# KiCad board Sandy_Base.kicad_pcb
title: Sandy; date: 2023-01-06; rev: v.0; company: @jpskenn
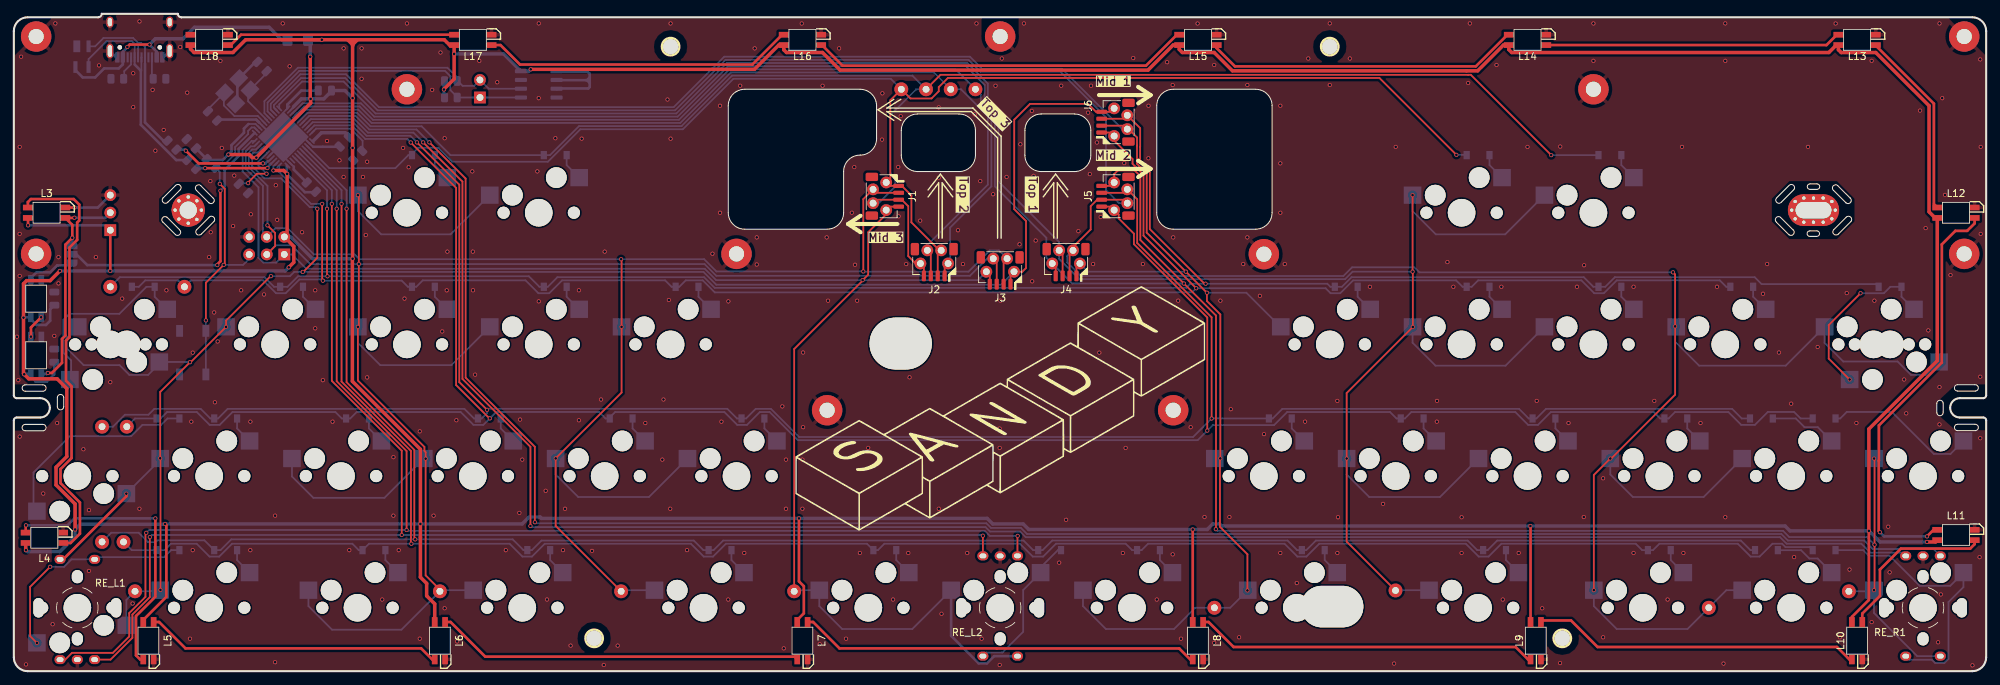
[diagram p0: board, top side]
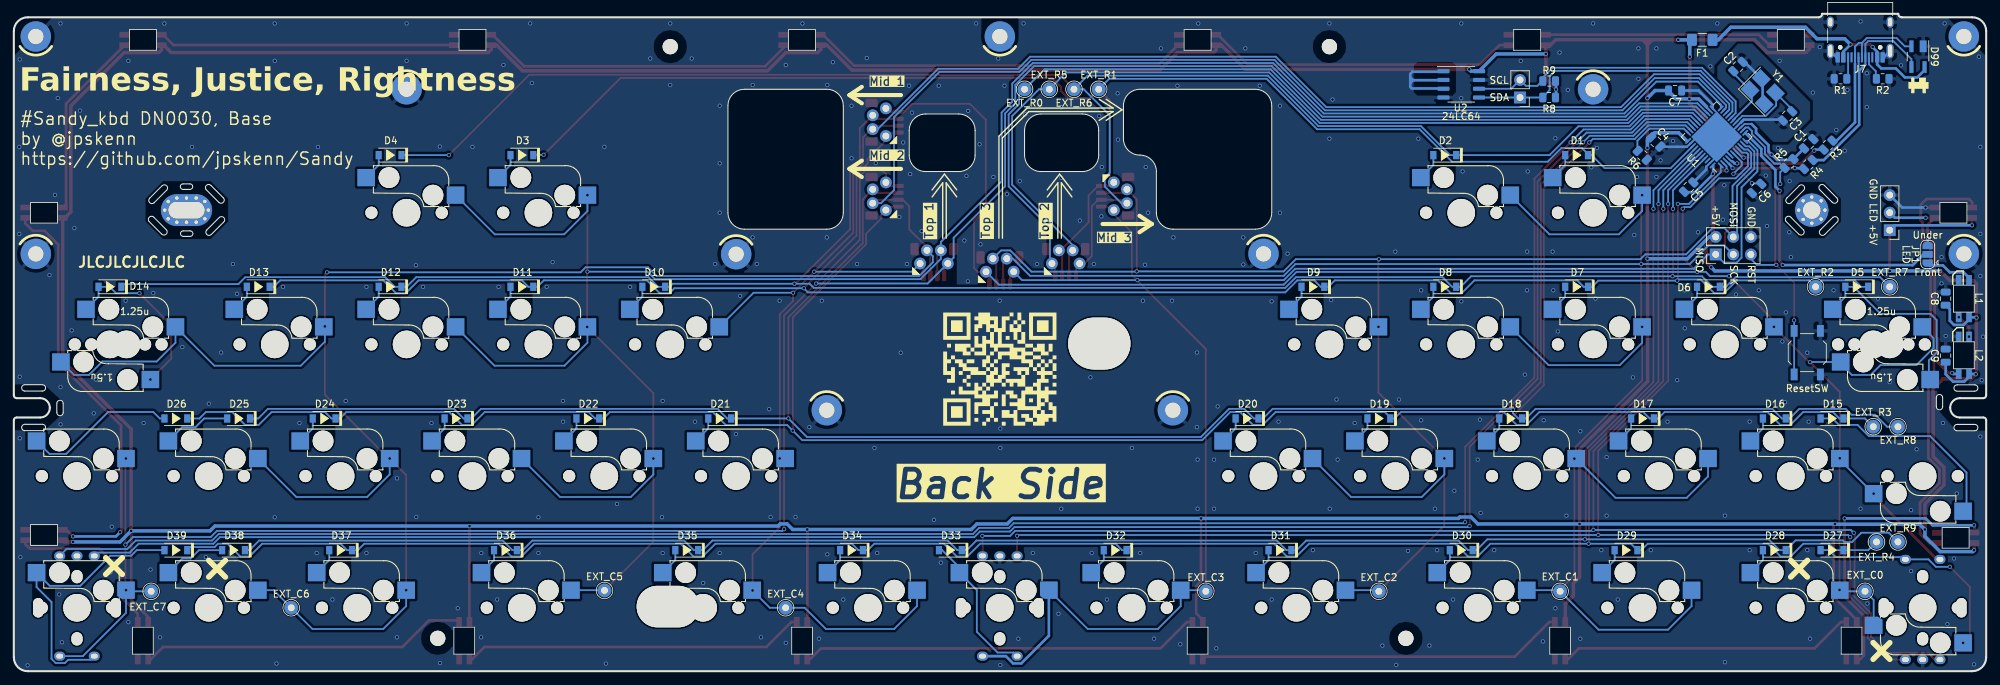
[diagram p1: board, bottom side, seen from below]

Outline 285 x 95.1 mm; copper layers: Top, Bottom. Coordinates in mm from the lower left corner of the outline.
Stack: Top 0.035mm / dielectric 1.51mm FR4 er 4.5 / Bottom 0.035mm

## Placement (name value [footprint] x y rotation side)
C1  10uF  [C_0805_2012Metric]  25.65 76.3 315 bottom
C2  22pF  [C_0805_2012Metric]  35.86 87.47 135 bottom
C3  22pF  [C_0805_2012Metric]  28.72 80.33 315 bottom
C4  0.1uF  [C_0805_2012Metric]  47.74 76.57 45 bottom
C5  0.1uF  [C_0805_2012Metric]  42.98 70.03 315 bottom
C6  1uF  [C_0805_2012Metric]  33.18 69.83 315 bottom
C7  0.1uF  [C_0805_2012Metric]  44.95 84 0 bottom
C8  0.1uF  [C_0805_2012Metric]  5.85 53.9 270 bottom
C9  0.1uF  [C_0805_2012Metric]  5.85 45.65 270 bottom
D1  D  [D_SOD-123_Emphasized_Direction_Line_Reference_on_bottom]  59.18 74.66 0 bottom
D2  D  [D_SOD-123_Emphasized_Direction_Line_Reference_on_bottom]  78.23 74.66 0 bottom
D3  D  [D_SOD-123_Emphasized_Direction_Line_Reference_on_bottom]  211.58 74.66 0 bottom
D4  D  [D_SOD-123_Emphasized_Direction_Line_Reference_on_bottom]  230.63 74.66 0 bottom
D5  D  [D_SOD-123_Emphasized_Direction_Line_Reference_on_bottom]  18.7 55.61 0 bottom
D6  D  [D_SOD-123_Emphasized_Direction_Line_Reference_on_bottom]  40.13 55.61 0 bottom
D7  D  [D_SOD-123_Emphasized_Direction_Line_Reference_on_bottom]  59.18 55.61 0 bottom
D8  D  [D_SOD-123_Emphasized_Direction_Line_Reference_on_bottom]  78.23 55.61 0 bottom
D9  D  [D_SOD-123_Emphasized_Direction_Line_Reference_on_bottom]  97.28 55.61 0 bottom
D10  D  [D_SOD-123_Emphasized_Direction_Line_Reference_on_bottom]  192.53 55.61 0 bottom
D11  D  [D_SOD-123_Emphasized_Direction_Line_Reference_on_bottom]  211.58 55.61 0 bottom
D12  D  [D_SOD-123_Emphasized_Direction_Line_Reference_on_bottom]  230.63 55.61 0 bottom
D13  D  [D_SOD-123_Emphasized_Direction_Line_Reference_on_bottom]  249.68 55.61 0 bottom
D14  D  [D_SOD-123_Emphasized_Direction_Line_Reference_on_bottom]  271.11 55.61 0 bottom
D15  D  [D_SOD-123_Emphasized_Direction_Line_Reference_on_bottom]  22.27 36.56 0 bottom
D16  D  [D_SOD-123_Emphasized_Direction_Line_Reference_on_bottom]  30.61 36.56 0 bottom
D17  D  [D_SOD-123_Emphasized_Direction_Line_Reference_on_bottom]  49.66 36.56 0 bottom
D18  D  [D_SOD-123_Emphasized_Direction_Line_Reference_on_bottom]  68.71 36.56 0 bottom
D19  D  [D_SOD-123_Emphasized_Direction_Line_Reference_on_bottom]  87.76 36.56 0 bottom
D20  D  [D_SOD-123_Emphasized_Direction_Line_Reference_on_bottom]  106.81 36.56 0 bottom
D21  D  [D_SOD-123_Emphasized_Direction_Line_Reference_on_bottom]  183.01 36.56 0 bottom
D22  D  [D_SOD-123_Emphasized_Direction_Line_Reference_on_bottom]  202.06 36.56 0 bottom
D23  D  [D_SOD-123_Emphasized_Direction_Line_Reference_on_bottom]  221.11 36.56 0 bottom
D24  D  [D_SOD-123_Emphasized_Direction_Line_Reference_on_bottom]  240.16 36.56 0 bottom
D25  D  [D_SOD-123_Emphasized_Direction_Line_Reference_on_bottom]  252.52 36.56 0 bottom
D26  D  [D_SOD-123_Emphasized_Direction_Line_Reference_on_bottom]  261.59 36.56 0 bottom
D27  D  [D_SOD-123_Emphasized_Direction_Line_Reference_on_bottom]  22.27 17.51 0 bottom
D28  D  [D_SOD-123_Emphasized_Direction_Line_Reference_on_bottom]  30.61 17.51 0 bottom
D29  D  [D_SOD-123_Emphasized_Direction_Line_Reference_on_bottom]  52.04 17.51 0 bottom
D30  D  [D_SOD-123_Emphasized_Direction_Line_Reference_on_bottom]  75.85 17.51 0 bottom
D31  D  [D_SOD-123_Emphasized_Direction_Line_Reference_on_bottom]  102.04 17.51 0 bottom
D32  D  [D_SOD-123_Emphasized_Direction_Line_Reference_on_bottom]  125.86 17.51 0 bottom
D33  D  [D_SOD-123_Emphasized_Direction_Line_Reference_on_bottom]  149.67 17.51 0 bottom
D34  D  [D_SOD-123_Emphasized_Direction_Line_Reference_on_bottom]  163.96 17.51 0 bottom
D35  D  [D_SOD-123_Emphasized_Direction_Line_Reference_on_bottom]  187.77 17.51 0 bottom
D36  D  [D_SOD-123_Emphasized_Direction_Line_Reference_on_bottom]  213.96 17.51 0 bottom
D37  D  [D_SOD-123_Emphasized_Direction_Line_Reference_on_bottom]  237.78 17.51 0 bottom
D38  D  [D_SOD-123_Emphasized_Direction_Line_Reference_on_bottom]  253.25 17.51 0 bottom
D39  D  [D_SOD-123_Emphasized_Direction_Line_Reference_on_bottom]  261.59 17.51 0 bottom
D99  PRTR5V0U2X  [SOT-143_Handsoldering]  9.85 88.9 270 bottom
EXT_C0  Conn_01x01  [TestPoint_THTPad_D2.0mm_Drill1.0mm]  17.51 11.56 180 bottom
EXT_C1  Conn_01x01  [TestPoint_THTPad_D2.0mm_Drill1.0mm]  61.56 11.56 180 bottom
EXT_C2  Conn_01x01  [TestPoint_THTPad_D2.0mm_Drill1.0mm]  87.76 11.56 180 bottom
EXT_C3  Conn_01x01  [TestPoint_THTPad_D2.0mm_Drill1.0mm]  112.76 11.56 180 bottom
EXT_C4  Conn_01x01  [TestPoint_THTPad_D2.0mm_Drill1.0mm]  173.48 9.17 180 bottom
EXT_C5  Conn_01x01  [TestPoint_THTPad_D2.0mm_Drill1.0mm]  199.65 11.68 180 bottom
EXT_C6  Conn_01x01  [TestPoint_THTPad_D2.0mm_Drill1.0mm]  244.92 9.17 180 bottom
EXT_C7  Conn_01x01  [TestPoint_THTPad_D2.0mm_Drill1.0mm]  265.16 11.56 180 bottom
EXT_R0  Conn_01x01  [TestPoint_THTPad_D2.0mm_Drill1.0mm]  138.95 84.18 180 bottom
EXT_R1  Conn_01x01  [TestPoint_THTPad_D2.0mm_Drill1.0mm]  128.24 84.18 180 bottom
EXT_R2  Conn_01x01  [TestPoint_THTPad_D2.0mm_Drill1.0mm]  24.65 55.61 180 bottom
EXT_R3  Conn_01x01  [TestPoint_THTPad_D2.0mm_Drill1.0mm]  16.32 35.37 0 bottom
EXT_R4  Conn_01x01  [TestPoint_THTPad_D2.0mm_Drill1.0mm]  15.85 18.7 0 bottom
EXT_R5  Conn_01x01  [TestPoint_THTPad_D2.0mm_Drill1.0mm]  135.38 84.18 0 bottom
EXT_R6  Conn_01x01  [TestPoint_THTPad_D2.0mm_Drill1.0mm]  131.81 84.18 0 bottom
EXT_R7  Conn_01x01  [TestPoint_THTPad_D2.0mm_Drill1.0mm]  13.94 55.61 0 bottom
EXT_R8  Conn_01x01  [TestPoint_THTPad_D2.0mm_Drill1.0mm]  12.75 35.37 180 bottom
EXT_R9  Conn_01x01  [TestPoint_THTPad_D2.0mm_Drill1.0mm]  12.75 18.7 180 bottom
F1  500mA  [Fuse_1206_3216Metric_Pad1.42x1.75mm_HandSolder]  41.03 91.33 180 bottom
G***  LOGO  [QR_code_Sandy_on_github_360dpi]  142.53 43.7 180 bottom
H1  MountingHole  [MountingHole_2.2mm_M2_No_Cu]  94.9 90.35 0 top
H2  MountingHole  [MountingHole_2.2mm_M2_No_Cu]  190.15 90.35 0 top
H3  MountingHole  [MountingHole_2.2mm_M2_No_Cu]  83.85 4.75 0 top
H4  MountingHole  [MountingHole_2.2mm_M2_No_Cu]  223.75 4.75 0 top
H6  MountingHole  [MountingHole_2.2mm_M2_Pad_minimal]  3.23 91.82 0 bottom
H7  MountingHole  [MountingHole_2.2mm_M2_Pad_minimal]  56.8 84.18 180 bottom
H8  MountingHole  [MountingHole_2.2mm_M2_Pad_minimal]  142.53 91.82 0 bottom
H9  MountingHole  [MountingHole_2.2mm_M2_Pad_minimal]  228.25 84.18 180 bottom
H10  MountingHole  [MountingHole_2.2mm_M2_Pad_minimal]  281.83 60.37 180 bottom
H11  MountingHole  [MountingHole_2.2mm_M2_Pad_minimal]  3.22 60.37 180 bottom
H12  MountingHole  [MountingHole_2.2mm_M2_Pad_minimal]  281.83 91.82 0 bottom
H13  MountingHole  [MountingHole_2.2mm_M2_Pad_minimal]  104.43 60.37 180 bottom
H14  MountingHole  [MountingHole_2.2mm_M2_Pad_minimal]  180.63 60.32 180 bottom
H40  MountingHole  [MountingHole_2.2mm_M2_Pad_minimal]  117.52 37.75 180 bottom
H41  MountingHole  [MountingHole_2.2mm_M2_Pad_minimal]  167.53 37.75 180 bottom
J1  Conn_02x02_Top_Bottom  [JST_SH_SM04B-SRSS-TB_1x04-1MP_P1.00mm_Horizontal_wCable_housing_spare_pin]  125.86 68.71 270 top
J2  Conn_02x02_Top_Bottom  [JST_SH_SM04B-SRSS-TB_1x04-1MP_P1.00mm_Horizontal_wCable_housing_spare_pin]  133 59.18 180 top
J3  Conn_02x02_Top_Bottom  [JST_SH_SM04B-SRSS-TB_1x04-1MP_P1.00mm_Horizontal_wCable_housing_spare_pin]  142.53 57.99 180 top
J4  Conn_02x02_Top_Bottom  [JST_SH_SM04B-SRSS-TB_1x04-1MP_P1.00mm_Horizontal_wCable_housing_spare_pin]  152.05 59.18 180 top
J5  Conn_02x02_Top_Bottom  [JST_SH_SM04B-SRSS-TB_1x04-1MP_P1.00mm_Horizontal_wCable_housing_spare_pin]  159.19 68.71 90 top
J6  Conn_02x02_Top_Bottom  [JST_SH_SM04B-SRSS-TB_1x04-1MP_P1.00mm_Horizontal_wCable_housing_spare_pin]  159.19 79.42 90 top
J7  USB_C_Receptacle_USB2.0  [USB_C_Receptacle_HRO_TYPE-C-31-M-12]  18.2 92.85 0 bottom
J8  Conn_02x03_Odd_Even  [PinHeader_2x03_P2.54mm_Vertical]  39.08 60.29 90 bottom
J9  Conn_01x02  [PinHeader_1x02_P2.54mm_Vertical]  67.35 82.99 0 bottom
J10  Conn_01x03  [PinHeader_1x03_P2.54mm_Vertical]  13.94 63.8 0 bottom
JP1  SolderJumper_3_Open  [SolderJumper-3_P1.3mm_Open_RoundedPad1.0x1.5mm]  8.45 60.3 90 bottom
L1  SK6812MINI-E  [YS-SK6812MINI-E_middle_hole_with_small_pad]  3.22 53.9 270 bottom
L2  SK6812MINI-E  [YS-SK6812MINI-E_middle_hole_with_small_pad]  3.22 45.7 270 bottom
L3  SK6812MINI-E  [YS-SK6812MINI-E_middle_hole_with_small_pad]  4.73 66.32 180 top
L4  SK6812MINI-E  [YS-SK6812MINI-E_middle_hole_with_small_pad]  4.41 19.3 180 top
L5  SK6812MINI-E  [YS-SK6812MINI-E_middle_hole_with_small_pad]  19.45 4.41 90 top
L6  SK6812MINI-E  [YS-SK6812MINI-E_middle_hole_with_small_pad]  61.56 4.41 90 top
L7  SK6812MINI-E  [YS-SK6812MINI-E_middle_hole_with_small_pad]  113.95 4.41 90 top
L8  SK6812MINI-E  [YS-SK6812MINI-E_middle_hole_with_small_pad]  171.1 4.41 90 top
L9  SK6812MINI-E  [YS-SK6812MINI-E_middle_hole_with_small_pad]  219.92 4.41 90 top
L10  SK6812MINI-E  [YS-SK6812MINI-E_middle_hole_with_small_pad]  266.35 4.41 90 top
L11  SK6812MINI-E  [YS-SK6812MINI-E_middle_hole_with_small_pad]  280.64 19.7 180 top
L12  SK6812MINI-E  [YS-SK6812MINI-E_middle_hole_with_small_pad]  280.64 66.32 180 top
L13  SK6812MINI-E  [YS-SK6812MINI-E_middle_hole_with_small_pad]  266.35 91.33 180 top
L14  SK6812MINI-E  [YS-SK6812MINI-E_middle_hole_with_small_pad]  218.73 91.33 180 top
L15  SK6812MINI-E  [YS-SK6812MINI-E_middle_hole_with_small_pad]  171.1 91.33 180 top
L16  SK6812MINI-E  [YS-SK6812MINI-E_middle_hole_with_small_pad]  113.95 91.33 180 top
L17  SK6812MINI-E  [YS-SK6812MINI-E_middle_hole_with_small_pad]  66.33 91.33 180 top
L18  SK6812MINI-E  [YS-SK6812MINI-E_middle_hole_with_small_pad]  28.23 91.33 180 top
LOGO1  Logo_Base  [Sandy_logo_w60_new]  142.52 38.1 0 top
NOREF  -  [1d23b097-72e0-487b-bec7-a328ee8b6ed7]  125.86 61.56 0 top
R1  5.1k  [R_0805_2012Metric]  21.05 85.7 180 bottom
R2  5.1k  [R_0805_2012Metric]  14.95 85.7 0 bottom
R3  22  [R_0805_2012Metric]  22.85 76.1 135 bottom
R4  22  [R_0805_2012Metric]  25.7 73.3 135 bottom
R5  10k  [R_0805_2012Metric]  28.5 73.45 315 bottom
R6  10k  [R_0805_2012Metric]  49.69 74.63 45 bottom
R8  4.7k  [R_0805_2012Metric]  63.15 82.99 0 bottom
R9  4.7k  [R_0805_2012Metric]  63.15 85.37 0 bottom
RE_L1  RotaryEncoder_Switch  [RotaryEncoder_Alps_EC11K-Switch_Vertical_H20mm_NPTH_MP_minimal]  9.18 9.17 180 top
RE_L2  RotaryEncoder_Switch  [RotaryEncoder_Alps_EC11K-Switch_Vertical_H20mm_NPTH_MP_minimal]  142.53 9.17 0 top
RE_R1  RotaryEncoder_Switch  [RotaryEncoder_Alps_EC11K-Switch_Vertical_H20mm_NPTH_MP_minimal]  275.88 9.17 0 top
REF**  60_Outline  [60_Outline-Sandy-Base7-remove_NPTH]  142.53 28.22 0 top
ResetSW1  5.2x5.2mm  [SW_SPST_TL3342]  25.85 46.08 270 bottom
SW_;1  SW_Push  [MXOnly-1U-Hotswap-guide]  247.3 47.27 0 top
SW_<1  SW_Push  [MXOnly-1U-Hotswap-guide]  218.73 28.22 0 top
SW_>1  SW_Push  [MXOnly-1U-Hotswap-guide]  237.78 28.22 0 top
SW_A1  SW_Push  [MXOnly-1U-Hotswap-guide]  37.75 47.27 0 top
SW_C1  SW_Push  [MXOnly-1U-Hotswap-guide]  85.38 28.22 0 top
SW_CAPS1u1  SW_Push  [MXOnly-1U-Hotswap-on-RE-guide]  9.18 9.17 180 top
SW_CenterC1u1  SW_Push  [MXOnly-1U-Hotswap-on-RE-guide]  142.53 9.17 0 top
SW_CenterL1u2  SW_Push  [MXOnly-1U-Hotswap-guide]  123.48 9.17 0 top
SW_CenterR1u2  SW_Push  [MXOnly-1U-Hotswap-guide]  161.58 9.17 0 top
SW_CTL1.5u1  SW_Push  [MXOnly-1.5U-Hotswap-guide]  13.94 47.27 180 top
SW_CTL1.25u1  SW_Push  [MXOnly-1.25U-Hotswap-guide]  16.32 47.27 0 top
SW_D1  SW_Push  [MXOnly-1U-Hotswap-guide]  75.85 47.27 0 top
SW_DOWN1  SW_Push  [MXOnly-1U-Hotswap-guide]  256.83 9.17 0 top
SW_E1  SW_Push  [MXOnly-1U-Hotswap-guide]  75.85 66.32 0 top
SW_ENT1.5u1  SW_Push  [MXOnly-1.5U-Hotswap-guide]  271.11 47.27 180 top
SW_ENT1.25u1  SW_Push  [MXOnly-1.25U-Hotswap-guide]  268.73 47.27 0 top
SW_F1  SW_Push  [MXOnly-1U-Hotswap-guide]  94.9 47.27 0 top
SW_Fn1u1  SW_Push  [MXOnly-1U-Hotswap-guide]  275.88 28.22 0 top
SW_I1  SW_Push  [MXOnly-1U-Hotswap-guide]  209.2 66.32 0 top
SW_J1  SW_Push  [MXOnly-1U-Hotswap-guide]  190.15 47.27 0 top
SW_K1  SW_Push  [MXOnly-1U-Hotswap-guide]  209.2 47.27 0 top
SW_L1  SW_Push  [MXOnly-1U-Hotswap-guide]  228.25 47.27 0 top
SW_L2-1u1  SW_Push  [MXOnly-1U-Hotswap-guide]  28.23 9.17 0 top
SW_LALT1.25u1  SW_Push  [MXOnly-1.25U-Hotswap-guide]  73.47 9.17 0 top
SW_LSFT1u1  SW_Push  [MXOnly-1U-Hotswap-guide]  9.18 28.22 180 top
SW_LSFT1u2  SW_Push  [MXOnly-1U-Hotswap-guide]  28.23 28.22 0 top
SW_LSPC1.5u1  SW_Push  [MXOnly-1.5U-Hotswap-guide]  99.66 9.17 0 top
SW_LWIN1.25u1  SW_Push  [MXOnly-1.25U-Hotswap-guide]  49.66 9.17 0 top
SW_M1  SW_Push  [MXOnly-1U-Hotswap-guide]  199.68 28.22 0 top
SW_N1  SW_Push  [MXOnly-1U-Hotswap-guide]  180.63 28.22 0 top
SW_O1  SW_Push  [MXOnly-1U-Hotswap-guide]  228.25 66.32 0 top
SW_RALT1.25u1  SW_Push  [MXOnly-1.25U-Hotswap-guide]  211.58 9.17 0 top
SW_RIGHT1  SW_Push  [MXOnly-1U-Hotswap-on-RE-guide]  275.88 9.17 0 top
SW_ROPT1.25u1  SW_Push  [MXOnly-1.25U-Hotswap-guide]  235.39 9.17 0 top
SW_RSPC1.5u1  SW_Push  [MXOnly-1.5U-Hotswap-guide]  185.39 9.17 0 top
SW_S1  SW_Push  [MXOnly-1U-Hotswap-guide]  56.8 47.27 0 top
SW_UP1  SW_Push  [MXOnly-1U-Hotswap-guide]  256.83 28.22 0 top
SW_V1  SW_Push  [MXOnly-1U-Hotswap-guide]  104.43 28.22 0 top
SW_W1  SW_Push  [MXOnly-1U-Hotswap-guide]  56.8 66.32 0 top
SW_X1  SW_Push  [MXOnly-1U-Hotswap-guide]  66.33 28.22 0 top
SW_Z1  SW_Push  [MXOnly-1U-Hotswap-guide]  47.28 28.22 0 top
U1  ATmega32U4-MU  [QFN-44-1EP_7x7mm_P0.5mm_EP5.2x5.2mm]  38.94 77.29 45 bottom
U2  24LC64  [SO-8_3.9x4.9mm_P1.27mm]  75.85 84.9 180 bottom
Y1  16MHz  [Crystal_SMD_3225-4Pin_3.2x2.5mm_HandSoldering]  32.29 83.9 225 bottom

## Library data of the parts
C1 = -: Description: Unpolarized capacitor, small symbol; LCSC: C15850
C2 C3 = -: Description: Unpolarized capacitor, small symbol; LCSC: C1804
C4 C5 C7-C9 = -: Description: Unpolarized capacitor, small symbol; LCSC: C49678
C6 = -: Description: Unpolarized capacitor, small symbol; LCSC: C28323
D1-D39 = -: Description: Diode; LCSC: C81598; Sim.Pins: 1=K 2=A
D99 = -: Description: Ultra low capacitance double rail-to-rail ESD protection diode, SOT-143; LCSC: C78442
EXT_C0-EXT_C7 EXT_R0-EXT_R9 = -: Description: Generic connector, single row, 01x01, script generated (kicad-library-utils/schlib/autogen/connector/)
F1 = -: Description: Resettable fuse, polymeric positive temperature coefficient, small symbol; LCSC: C70076
H1-H4 = -: Description: Mounting Hole without connection
H6-H14 H40 H41 = -: Description: Mounting Hole with connection
J1-J6 = -: Description: Generic connector, double row, 02x02, odd/even pin numbering scheme (row 1 odd numbers, row 2 even numbers), script generated (kicad-library-utils/schlib/autogen/connector/); LCSC: C371510
J7 = -: Description: USB 2.0-only Type-C Receptacle connector; LCSC: C165948
J8 = -: Description: Generic connector, double row, 02x03, odd/even pin numbering scheme (row 1 odd numbers, row 2 even numbers), script generated (kicad-library-utils/schlib/autogen/connector/)
J9 = -: Description: Generic connector, single row, 01x02, script generated (kicad-library-utils/schlib/autogen/connector/)
J10 = -: Description: Generic connector, single row, 01x03, script generated (kicad-library-utils/schlib/autogen/connector/)
JP1 = -: Description: Solder Jumper, 3-pole, open
LOGO1 = -: Description: Open Hardware logo, small; Sim.Enable: 0; Text: @jpskenn
R1 R2 = -: Description: Resistor, small symbol; LCSC: C27834
R3 R4 = -: Description: Resistor, small symbol; LCSC: C17561
R5 R6 = -: Description: Resistor, small symbol; LCSC: C17414
R8 R9 = -: Description: Resistor; LCSC: C17673
RE_L1 RE_L2 RE_R1 = -: Description: Rotary encoder, dual channel, incremental quadrate outputs, with switch
SW_;1 SW_<1 SW_>1 SW_A1 SW_C1 SW_CAPS1u1 SW_CenterC1u1 SW_CenterL1u2 SW_CenterR1u2 SW_CTL1.5u1 SW_CTL1.25u1 SW_D1 SW_DOWN1 SW_E1 SW_ENT1.5u1 SW_ENT1.25u1 SW_F1 SW_Fn1u1 SW_I1 SW_J1 SW_K1 SW_L1 SW_L2-1u1 SW_LALT1.25u1 SW_LSFT1u1 SW_LSFT1u2 SW_LSPC1.5u1 SW_LWIN1.25u1 SW_M1 SW_N1 SW_O1 SW_RALT1.25u1 SW_RIGHT1 SW_ROPT1.25u1 SW_RSPC1.5u1 SW_S1 SW_UP1 SW_V1 SW_W1 SW_X1 SW_Z1 = -: Description: Push button switch, generic, two pins
U1 = -: LCSC: C45874
U2 = -: Description: I2C Serial EEPROM, 64Kb, DIP-8/SOIC-8/TSSOP-8/DFN-8; LCSC: C79988
Y1 = -: Description: Four pin crystal, GND on pins 2 and 4; LCSC: C13738

## Footprints (pads in the part's own frame, mm; a bottom-side part is the same pattern mirrored in y, then rotated)
60_Outline-Sandy-Base7-remove_NPTH
  oval 9x7.5 hole 9x7.5 unplated: (-14.375,19.175)
  oval 9x6 hole 9x6 unplated: (47.976,-18.88)
  round 1 hole 0.5: 1(-119.225,38.475) 1(-118.675,39.825) 1(-118.675,37.175) 1(-117.325,40.375) 1(-117.325,36.575) 1(-116.075,39.825) 1(-116.075,37.125) 1(-115.425,38.475) 1(114.375,38.475) 1(114.875,39.725) 1(114.875,37.225) 1(116.125,40.225) 1(116.125,36.725) 1(117.525,40.225) 1(117.525,36.725) 1(118.925,40.225) 1(118.925,36.725) 1(120.175,39.725) 1(120.175,37.225) 1(120.675,38.475)
  round 4.8 hole 2.499: 1(-117.325,38.475)
  oval 7.4x4.6 hole 5.2x2.4: 1(117.525,38.475)
C_0805_2012Metric
  rrect 1x1.45 smd: 1(-0.95,0) 2(0.95,0)
Crystal_SMD_3225-4Pin_3.2x2.5mm_HandSoldering
  rect 2.1x1.8 smd: 1(-1.45,-1.15) 2(1.45,-1.15) 3(1.45,1.15) 4(-1.45,1.15)
D_SOD-123_Emphasized_Direction_Line_Reference_on_bottom
  rect 0.9x1.2 smd: 1(-1.65,0) 2(1.65,0)
Fuse_1206_3216Metric_Pad1.42x1.75mm_HandSolder
  rrect 1.425x1.75 smd: 1(-1.488,0) 2(1.488,0)
JST_SH_SM04B-SRSS-TB_1x04-1MP_P1.00mm_Horizontal_wCable_housing_spare_pin
  oval 1.7x1.7 hole 1: 1(-2,0.2) 2(-1,-1.7) 3(1,-1.7) 4(2,0.2)
  rrect 0.6x1.55 smd: 1(-1.5,2) 2(-0.5,2) 3(0.5,2) 4(1.5,2)
  rrect 1.2x1.8 smd: MP(-2.8,-1.875) MP(2.8,-1.875)
MountingHole_2.2mm_M2_No_Cu
  round 2.2 hole 2.2 unplated: (0,0)
MountingHole_2.2mm_M2_Pad_minimal
  round 4.4 hole 2.2: 1(0,0)
MXOnly-1.5U-Hotswap-guide
  round 1.75 hole 1.75 unplated: (-5.08,0) (5.08,0)
  round 3 hole 3 unplated: (-3.81,2.54) (2.54,5.08)
  round 3.988 hole 3.988 unplated: (0,0)
  rect 2.55x2.5 smd far side: 1(-7.085,2.54) 2(5.842,5.08)
MXOnly-1.25U-Hotswap-guide
  round 1.75 hole 1.75 unplated: (-5.08,0) (5.08,0)
  round 3 hole 3 unplated: (-3.81,2.54) (2.54,5.08)
  round 3.988 hole 3.988 unplated: (0,0)
  rect 2.55x2.5 smd far side: 1(-7.085,2.54) 2(5.842,5.08)
MXOnly-1U-Hotswap-guide
  round 1.75 hole 1.75 unplated: (-5.08,0) (5.08,0)
  round 3 hole 3 unplated: (-3.81,2.54) (2.54,5.08)
  round 3.988 hole 3.988 unplated: (0,0)
  rect 2.55x2.5 smd far side: 1(-7.085,2.54) 2(5.842,5.08)
MXOnly-1U-Hotswap-on-RE-guide
  round 1.75 hole 1.75 unplated: (-5.08,0) (5.08,0)
  round 3 hole 3 unplated: (-3.81,2.54) (2.54,5.08)
  round 3.988 hole 3.988 unplated: (0,0)
  custom 2.56x2.5 smd far side: 1(-7.085,2.54)
  rect 2.55x2.5 smd far side: 2(5.842,5.08)
PinHeader_1x02_P2.54mm_Vertical
  rect 1.7x1.7 hole 1: 1(0,0)
  oval 1.7x1.7 hole 1: 2(0,-2.54)
PinHeader_1x03_P2.54mm_Vertical
  rect 1.7x1.7 hole 1: 1(0,0)
  oval 1.7x1.7 hole 1: 2(0,-2.54) 3(0,-5.08)
PinHeader_2x03_P2.54mm_Vertical
  rect 1.7x1.7 hole 1: 1(0,0)
  oval 1.7x1.7 hole 1: 2(2.54,0) 3(0,-2.54) 4(2.54,-2.54) 5(0,-5.08) 6(2.54,-5.08)
QFN-44-1EP_7x7mm_P0.5mm_EP5.2x5.2mm
  rrect 1.05x1.05 smd: (-1.95,-1.95) (-1.95,-0.65) (-1.95,0.65) (-1.95,1.95) (-0.65,-1.95) (-0.65,-0.65) (-0.65,0.65) (-0.65,1.95) (0.65,-1.95) (0.65,-0.65) (0.65,0.65) (0.65,1.95) (1.95,-1.95) (1.95,-0.65) (1.95,0.65) (1.95,1.95)
  rrect 1.075x0.25 smd: 1(-3.337,2.5) 2(-3.337,2) 3(-3.337,1.5) 4(-3.337,1) 5(-3.337,0.5) 6(-3.337,0) 7(-3.337,-0.5) 8(-3.337,-1) 9(-3.337,-1.5) 10(-3.337,-2) 11(-3.337,-2.5) 23(3.337,-2.5) 24(3.337,-2) 25(3.337,-1.5) 26(3.337,-1) 27(3.337,-0.5) 28(3.337,0) 29(3.337,0.5) 30(3.337,1) 31(3.337,1.5) 32(3.337,2) 33(3.337,2.5)
  rrect 0.25x1.075 smd: 12(-2.5,-3.337) 13(-2,-3.337) 14(-1.5,-3.337) 15(-1,-3.337) 16(-0.5,-3.337) 17(0,-3.337) 18(0.5,-3.337) 19(1,-3.337) 20(1.5,-3.337) 21(2,-3.337) 22(2.5,-3.337) 34(2.5,3.337) 35(2,3.337) 36(1.5,3.337) 37(1,3.337) 38(0.5,3.337) 39(0,3.337) 40(-0.5,3.337) 41(-1,3.337) 42(-1.5,3.337) 43(-2,3.337) 44(-2.5,3.337)
  rect 5.2x5.2 smd: 45(0,0)
R_0805_2012Metric
  rrect 1.025x1.4 smd: 1(-0.912,0) 2(0.912,0)
RotaryEncoder_Alps_EC11K-Switch_Vertical_H20mm_NPTH_MP_minimal
  oval 1.5x2.8 hole 1.5x2.8 unplated: (-5.6,0) (5.6,0)
  oval 1.6x1.9 hole 1.6x1.9 unplated: (0,4.5) (0,-4.5)
  round 2.1 hole 2.1 unplated: (0,0)
  oval 1.6x1.3 hole 1x0.7: A(2.5,7.5) B(-2.5,7.5) C(0,7.5) S1(2.5,-7) S2(-2.5,-7)
SO-8_3.9x4.9mm_P1.27mm
  rrect 1.75x0.6 smd: 1(-2.575,1.905) 2(-2.575,0.635) 3(-2.575,-0.635) 4(-2.575,-1.905) 5(2.575,-1.905) 6(2.575,-0.635) 7(2.575,0.635) 8(2.575,1.905)
SolderJumper-3_P1.3mm_Open_RoundedPad1.0x1.5mm
  custom 1.05x1.5 smd: 1(-1.3,0) 3(1.3,0)
  rect 1x1.5 smd: 2(0,0)
SOT-143_Handsoldering
  rect 1.7x1 smd: 1(-1.5,0.75)
  rect 1.7x0.6 smd: 2(-1.5,-0.95) 3(1.5,-0.95) 4(1.5,0.95)
SW_SPST_TL3342
  rect 1.7x1 smd: 1(-3.15,1.9) 1(3.15,1.9) 2(-3.15,-1.9) 2(3.15,-1.9)
TestPoint_THTPad_D2.0mm_Drill1.0mm
  round 2 hole 1: 1(0,0)
USB_C_Receptacle_HRO_TYPE-C-31-M-12
  round 0.65 hole 0.65 unplated: (-2.89,2.6) (2.89,2.6)
  rect 0.6x1.45 smd: A1(-3.25,4.045) A4(-2.45,4.045) A9(2.45,4.045) A12(3.25,4.045) B1(3.25,4.045) B4(2.45,4.045) B9(-2.45,4.045) B12(-3.25,4.045)
  rect 0.3x1.45 smd: A5(-1.25,4.045) A6(-0.25,4.045) A7(0.25,4.045) A8(1.25,4.045) B5(1.75,4.045) B6(0.75,4.045) B7(-0.75,4.045) B8(-1.75,4.045)
  oval 1x1.6 hole 0.6x1.2: S1(-4.32,-1.05) S1(4.32,-1.05)
  oval 1x2.1 hole 0.6x1.7: S1(-4.32,3.13) S1(4.32,3.13)
YS-SK6812MINI-E_middle_hole_with_small_pad
  rect 1.431x0.82 smd: 1(2.7,0.75) 2(2.7,-0.75) 3(-2.7,-0.75) 4(-2.7,0.75)
